# KiCad board arena_10_of_10_v1r1.kicad_pcb (continued)
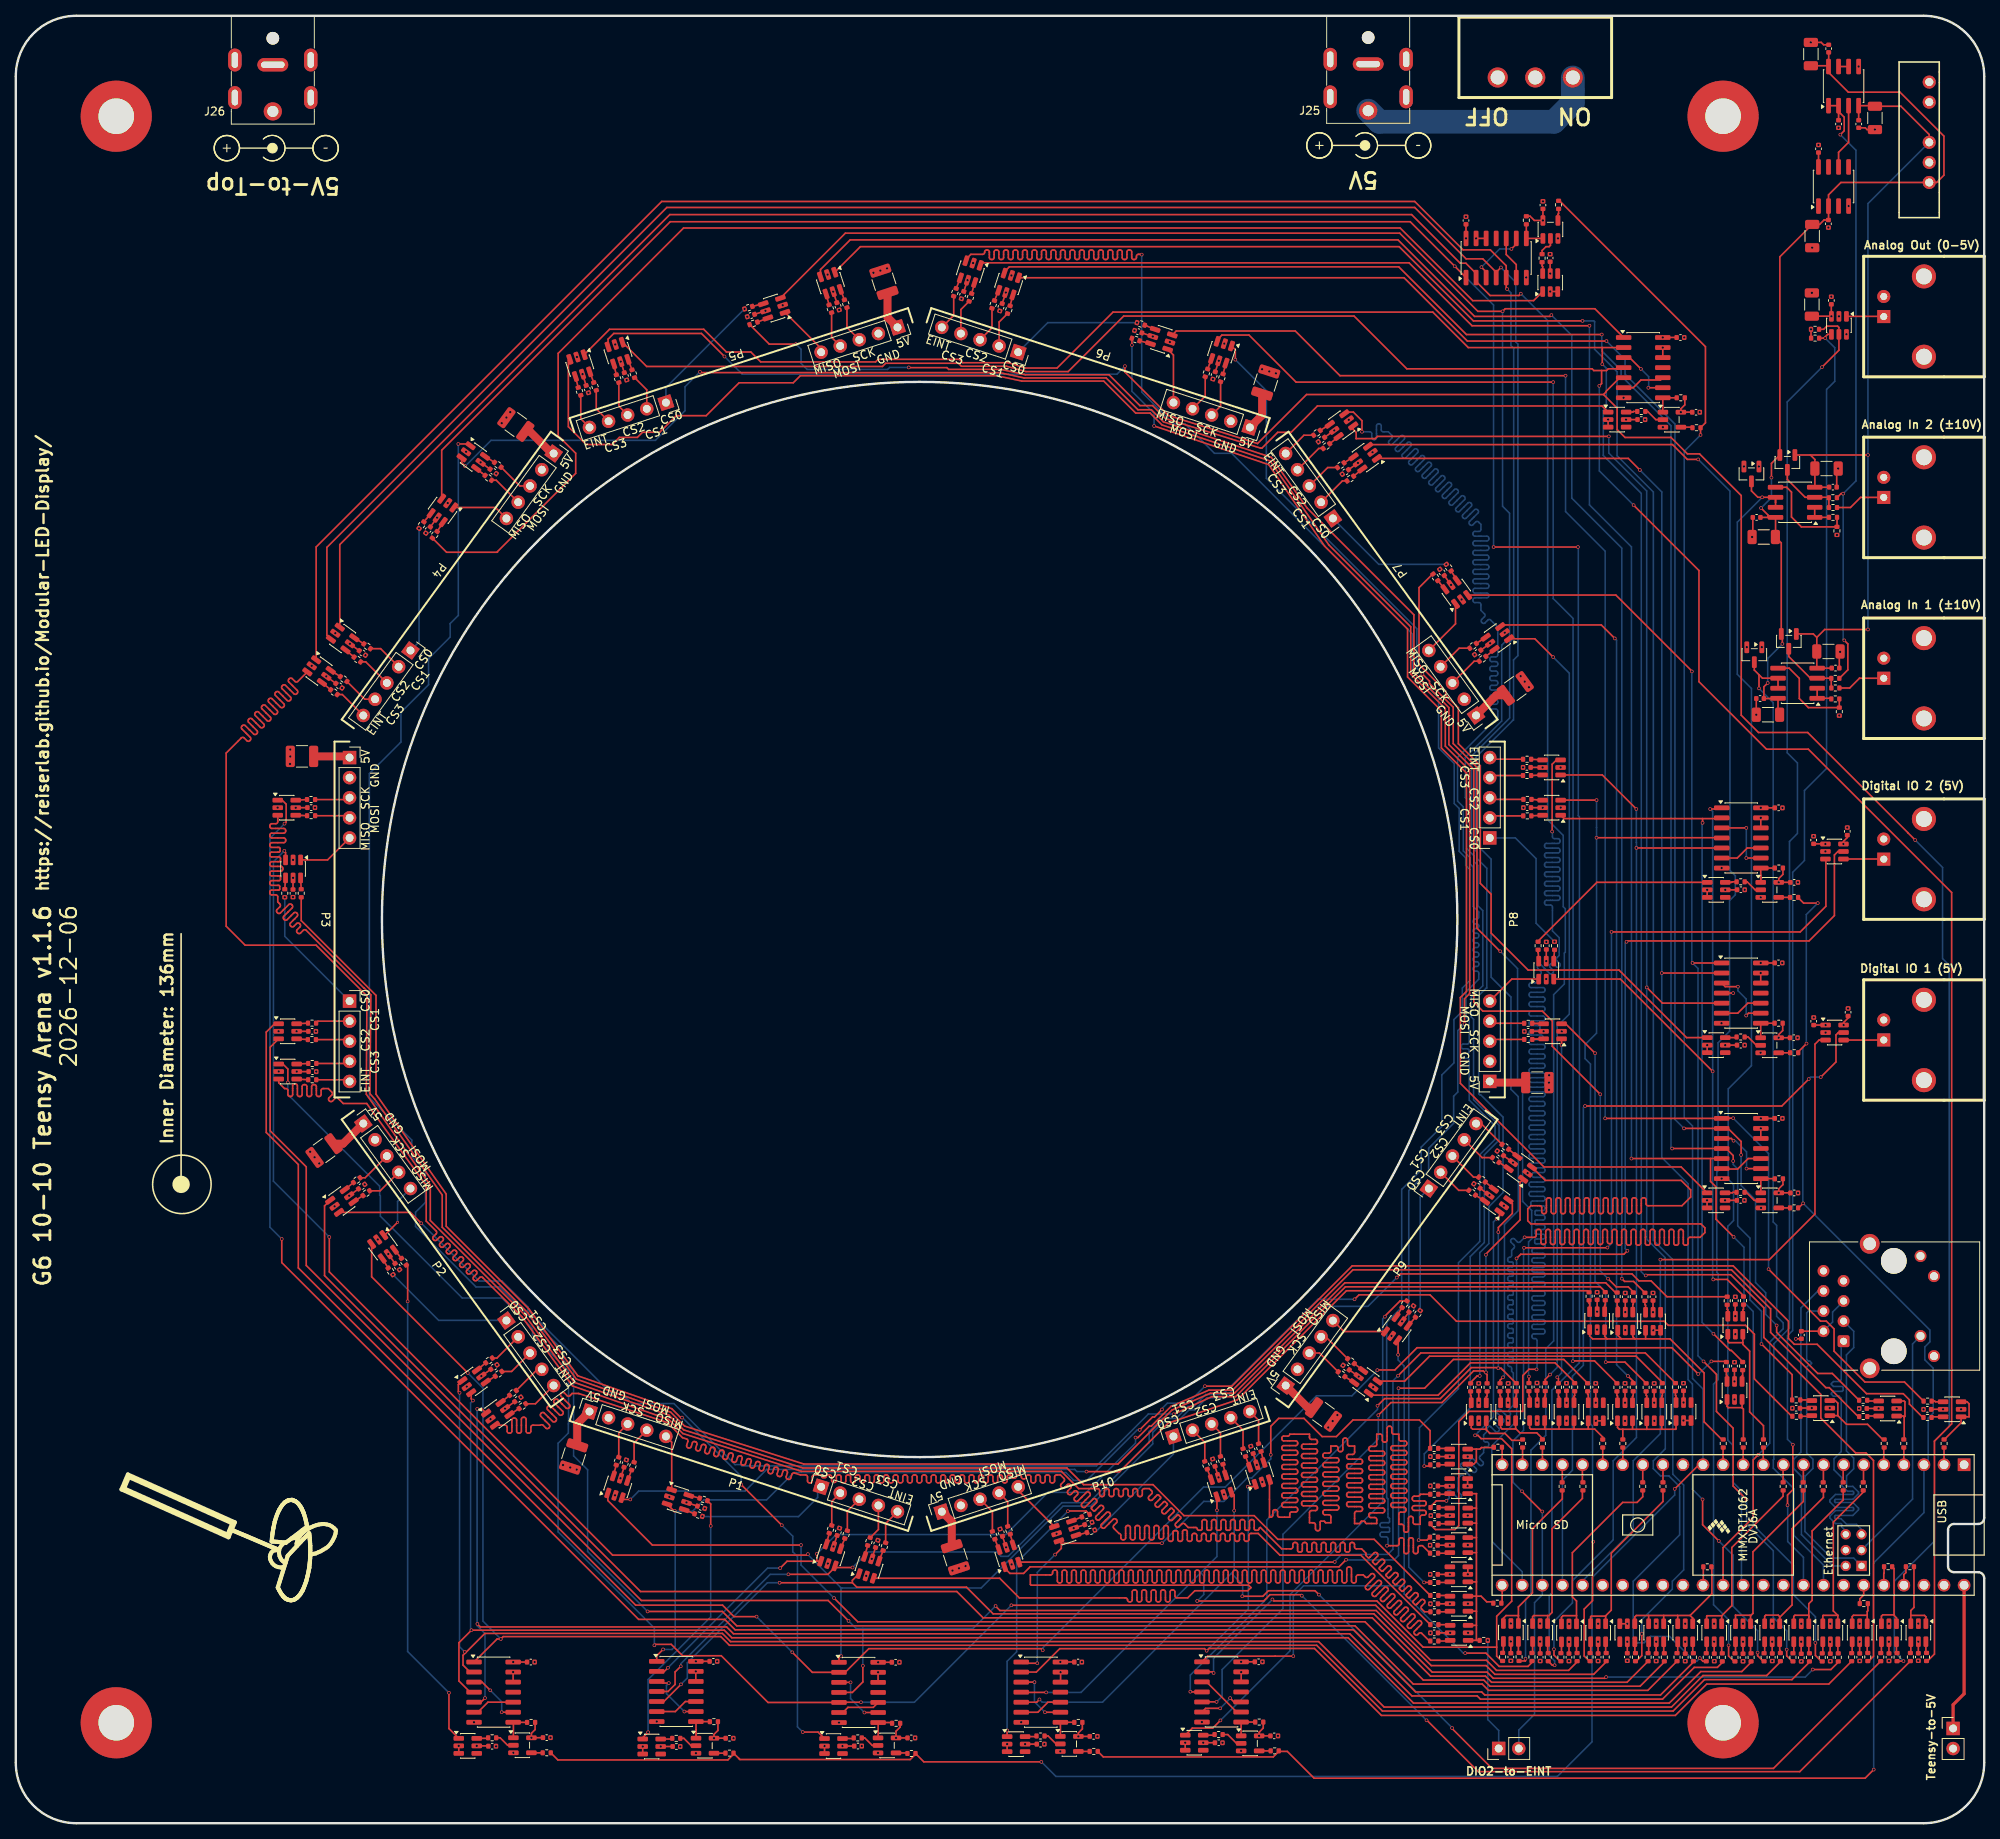
[diagram p0: board, top side]
## Routing (per net, layer and track width the routed paths; a pad name or vN(x,y) marks a point on that pad's centre or on a via; arc(x,y) is an arc through that point) (continued)
Net-(R188-Pad1): length 2.4
  Top w0.2: U88.2 85.41,9.8 84.48,10.73 R188.1
Net-(R188-Pad2): length 1.5
  Top w0.2: R188.2 82.93,10.65 U90.6
Net-(R189-Pad2): length 1.4
  Top w0.2: U92.4 R189.2
Net-(R190-Pad2): length 3.7
  Top w0.2: U91.8 R190.2 ; U91.8 62.91,12.75 ; U91.8 62.91,12.75 ; U92.1 62.92,12.74 62.91,12.75
Net-(R191-Pad1): length 2.6
  Top w0.2: R191.1 61.25,10.8 62.19,9.86 U92.2
Net-(R191-Pad2): length 1.5
  Top w0.2: U93.6 59.66,10.73 R191.2
Net-(R192-Pad2): length 1.5
  Top w0.2: U96.4 112.68,8.89 112.72,8.85 ; 112.72,8.85 112.72,8.85 R192.2 112.72,8.85
Net-(R193-Pad2): length 3.8
  Top w0.2: 109.04,10.79 U96.1 109.04,10.79 ; 109.04,10.79 109.05,10.8 U94.8 110.72,12.73 110.76,12.68 ; 110.76,12.68 R193.2 110.76,12.68
Net-(R194-Pad1): length 2.4
  Top w0.2: R194.1 107.35,10.79 108.31,9.84 U96.2
Net-(R194-Pad2): length 1.5
  Top w0.2: 105.92,10.75 R194.2 105.92,10.75 ; 105.92,10.75 105.88,10.71 U97.6
Net-(R195-Pad2): length 1.9
  Top w0.2: 195.02,203.11 195.02,203.5 195.1,203.58 R195.2 ; 195.02,203.11 U100.4 195.02,203.11
Net-(R196-Pad2): length 3.9
  Top w0.2: U100.1 191.02,200.44 U95.8 191.02,200.45 R196.2
Net-(R197-Pad1): length 3.1
  Top w0.2: R197.1 193.01,198.91 193.5,199.4 193.9,199.4 194.07,199.57 194.07,200.01 ; 194.07,200.01 U100.2 194.07,200.01 194.07,200.01
Net-(R197-Pad2): length 1.5
  Top w0.2: U101.6 193.09,196.89 193.01,196.97 R197.2
Net-(R198-Pad2): length 1.5
  Top w0.2: U104.4 211.96,176.57 R198.2
Net-(R199-Pad2): length 3.6
  Top w0.2: 208.28,178.48 208.27,178.49 U98.8 R199.2 ; 208.28,178.48 U104.1 208.28,178.48
Net-(R200-Pad1): length 2.7
  Top w0.2: U104.2 207.4,177.52 206.36,178.56 R200.1
Net-(R200-Pad2): length 1.4
  Top w0.2: R200.2 204.57,178.56 204.49,178.48 U105.6
Net-(R201-Pad2): length 1.4
  Top w0.2: 222.95,77.83 R201.2
Net-(R202-Pad2): length 3.6
  Top w0.2: U108.1 U99.8 222.43,81.53 R202.2
Net-(R203-Pad1): length 2.5
  Top w0.2: U108.2 219.85,78.78 218.82,79.8 R203.1
Net-(R203-Pad2): length 1.5
  Top w0.2: R203.2 217.14,79.8 217.07,79.73 U109.6
Net-(R204-Pad2): length 1.5
  Top w0.2: R204.2 224.37,97.44 U112.4
Net-(R205-Pad2): length 3.6
  Top w0.2: R205.2 U102.8 220.65,101.17 U112.1
Net-(R206-Pad1): length 2.5
  Top w0.2: R206.1 219.07,99.44 220.12,98.39 U112.2
Net-(R206-Pad2): length 1.5
  Top w0.2: U113.6 217.53,99.36 R206.2
Net-(R207-Pad2): length 1.4
  Top w0.2: 224.37,117.1 224.36,117.1 U116.4 ; 224.37,117.1 R207.2 224.37,117.1
Net-(R208-Pad2): length 4.5
  Top w0.2: 220.66,119.9 220.66,120.79 U103.8 222.44,120.81 222.44,120.81 ; 220.66,119.9 U116.1 220.66,119.9 ; 222.44,120.81 R208.2 222.44,120.81
Net-(R209-Pad1): length 2.4
  Top w0.2: U116.2 219.96,118.05 218.94,119.07 R209.1
Net-(R209-Pad2): length 1.5
  Top w0.2: R209.2 217.06,119.07 216.99,119 U117.6
Net-(R210-Pad2): length 1.5
  Top w0.2: R210.2 158.69,9.15 U120.4
Net-(R211-Pad2): length 3.5
  Top w0.2: R211.2 U106.8 154.95,11.05 U120.1
Net-(R212-Pad1): length 2.8
  Top w0.2: R212.1 153.26,11.21 154.38,10.1 U120.2
Net-(R212-Pad2): length 1.5
  Top w0.2: U121.6 151.52,11.13 R212.2
Net-(R213-Pad2): length 1.4
  Top w0.2: R213.2 135.8,9.08 U124.4
Net-(R214-Pad2): length 3.5
  Top w0.2: U124.1 132.1,10.99 U107.8 133.84,12.76 R214.2
Net-(R215-Pad1): length 2.4
  Top w0.2: U124.2 131.56,10.03 130.55,11.03 R215.1
Net-(R215-Pad2): length 1.5
  Top w0.2: R215.2 129,10.95 U125.6
Net-(U1-0_RX1_CRX2_CS1): length 2.2
  Top w0.2: U1.2 243.84,47.51 R1.2
Net-(U1-2_OUT2): length 2.2
  Top w0.2: R2.2 238.75,47.31 238.76,47.3 U1.4
Net-(U1-3_LRCLK2): length 2.2
  Top w0.2: R3.2 236.27,47.38 236.22,47.32 U1.5
Net-(U1-4_BCLK2): length 2.3
  Top w0.2: U1.6 233.66,45.32 233.66,43.1
Net-(U1-5_IN2): length 2.3
  Top w0.2: U1.7 231.09,45.29 231.09,43.12 231.1,43.11
Net-(U1-6_OUT1D): length 2.3
  Top w0.2: 228.52,43.09 228.59,43.15 228.59,45.33 U1.8
Net-(U1-7_RX2_OUT1A): length 2.2
  Top w0.2: U1.9 226.05,45.33 226.05,43.11
Net-(U1-8_TX2_IN1): length 2.2
  Top w0.2: U1.10 223.49,45.31 223.49,43.12 R8.2
Net-(U1-9_OUT1C): length 2.2
  Top w0.2: R9.2 221,47.36 220.98,47.34 U1.11
Net-(U1-10_CS_MQSR): length 2.2
  Top w0.2: R10.2 218.45,47.34 218.44,47.33 U1.12
Net-(U1-11_MOSI_CTX1): length 2.2
  Top w0.2: 215.92,47.49 215.92,47.33 215.9,47.31 U1.13
Net-(U1-13_SCK_LED): length 2.3
  Top w0.2: U1.35 213.4,30.14 R24.2
Net-(U1-21_A7_RX5_BCLK1): length 2.5
  Top w0.2: U1.43 233.68,28.86 233.19,28.37 R23.2
Net-(U1-22_A8_CTX1): length 2.4
  Top w0.2: U1.44 236.22,31.59 236.26,31.63 R22.2
Net-(U1-23_A9_CRX1_MCLK1): length 2.4
  Top w0.2: U1.45 238.76,31.44 239.02,31.7 R21.2
Net-(U1-24_A10_TX6_SCL2): length 2.2
  Top w0.2: R12.2 208.3,45.32 U1.16
Net-(U1-25_A11_RX6_SDA2): length 2.2
  Top w0.2: R13.2 U1.17
Net-(U1-26_A12_MOSI1): length 2.2
  Top w0.2: U1.18 203.22,45.36 R14.2
Net-(U1-27_A13_SCK1): length 2
  Top w0.2: 200.68,47.33 200.68,45.36 U1.19
Net-(U1-28_RX7): length 2.3
  Top w0.2: 198.18,43.06 198.11,43.13 198.11,45.33 U1.20
Net-(U1-29_TX7): length 2.3
  Top w0.2: 195.57,43.06 195.57,45.33 U1.21
Net-(U1-30_CRX3): length 2.2
  Top w0.2: R18.2 193.06,47.51 193.06,45.36 U1.22
Net-(U1-31_CTX3): length 2.2
  Top w0.2: U1.23 190.54,45.38 190.54,47.51 R19.2
Net-(U1-32_OUT1B): length 2.2
  Top w0.2: R20.2 187.94,47.41 187.96,47.38 U1.24
Net-(U1-33_MCLK2): length 2.3
  Top w0.2: R25.2 187.86,27.91 187.96,28.01 U1.25
Net-(U1-34_RX8): length 134.6
  Top w0.2: v1(189.78,71.43) 190.31,71.96 203.36,71.96 v1(203.8,72.4) ; v1(203.69,111.48) 203.8,111.59 226.77,111.59 229.98,114.8 229.98,122.46 230.42,122.9 U3.5
  Bottom w0.2: v1(203.69,111.48) 203.52,111.32 203.52,72.68 v1(203.8,72.4) ; U1.26 190.5,31.8 187,35.3 187,35.31 186.66,35.65 186.66,47.74 189.79,50.87 189.79,70.83 189.78,70.84 v1(189.78,71.43)
Net-(U1-36_CS): length 100.3
  Top w0.2: v1(228.25,94.36) 230.18,96.29 230.18,99.7 230.48,100 U2.5 ; v1(198.45,90.71) 223.32,90.71 v1(226.73,94.12)
  Bottom w0.2: v1(226.73,94.12) 226.98,94.36 v1(228.25,94.36) ; U1.28 195.58,43.37 196.85,44.64 196.85,56.53 198.23,57.91 198.23,90.49 v1(198.45,90.71)
Net-(U83A-+): length 8.7
  Top w0.2: R184.1 229.28,166.42 R182.2 229.23,167.7 227.49,167.7 ; 227.49,167.7 226.28,167.7 224.03,169.95 D3.3 ; 227.49,167.7 U83.3
Net-(U83A--): length 3.1
  Top w0.2: U83.2 U83.1 229.29,165.16 229.29,165.17 ; 229.29,165.17 R180.2 229.29,165.17
Net-(U83B-+): length 12.9
  Top w0.2: R180.1 230.31,163.97 R178.2 225.8,163.96 224.55,165.21 224.55,168.36 223.94,168.97 222.54,168.97
Net-(U84-NR): length 1.8
  Top w0.2: C99.1 227.97,209.49 227.96,209.49
Net-(U84-Vout): length 8.3
  Top w0.2: U84.6 230.5,211.34 231.77,212.61 U87.3
Net-(U86A-+): length 8.7
  Top w0.2: D4.3 224.21,147.56 226.95,144.82 U86.3 229.56,144.82 R183.2 229.58,143.59 R185.1
Net-(U86A--): length 3.1
  Top w0.2: U86.2 U86.1 229.5,142.28 R181.2
Net-(U86B-+): length 12.4
  Top w0.2: U86.5 224.25,146.09 225.54,144.8 225.54,142.25 226.69,141.1 R179.2 R181.1
Net-(U87B--): length 1.3
  Top w0.2: U87.7 U87.6
Net-(U89-Pad3): length 7.7
  Top w0.2: v1(82.57,17.73) 81.85,17.73 81.65,17.93 U89.3 ; U89.9 v1(84.54,14.12)
  Bottom w0.2: v1(82.57,17.73) 82.28,17.43 82.28,16.38 v1(84.54,14.12)
Net-(U89-Pad10): length 5.5
  Top w0.2: U89.6 83.4,14.12 84.67,15.39 U89.10
Net-(U91-Pad3): length 7.3
  Top w0.2: U91.9 v1(61.44,14.04) ; v1(60,16.8) 58.96,17.85 U91.3
  Bottom w0.2: v1(61.44,14.04) 61.44,15.36 v1(60,16.8)
Net-(U91-Pad10): length 5.5
  Top w0.2: 62.9,15.31 59.7,15.31 58.43,14.04 U91.6
Net-(U94-Pad3): length 7.7
  Top w0.2: U94.9 v1(107.31,14) ; v1(105.56,17.81) 105.56,17.81 U94.3
  Bottom w0.2: v1(107.31,14) 105.56,15.75 105.56,17.81 v1(105.56,17.81)
Net-(U94-Pad10): length 5.5
  Top w0.2: U94.6 104.59,14 105.24,14.65 108.43,14.65 U94.10
Net-(U95-Pad3): length 7.9
  Top w0.2: U95.3 185.94,196.21 v1(185.34,196.81) ; U95.9 189.75,199.72 v1(189.14,199.12)
  Bottom w0.2: v1(185.34,196.81) 187.65,199.12 v1(189.14,199.12)
Net-(U95-Pad10): length 5.5
  Top w0.2: U95.10 188.47,198.41 189.75,197.14 U95.6
Net-(U98-Pad3): length 7.4
  Top w0.2: v1(205.5,183.95) 204.08,185.37 U98.3 ; U98.9 206.46,181.56 v1(206.45,181.55)
  Bottom w0.2: v1(206.45,181.55) 206.49,181.59 206.49,182.96 v1(205.5,183.95)
Net-(U98-Pad10): length 5.5
  Top w0.2: U98.6 204.53,181.56 205.51,182.53 207.98,182.53 U98.10
Net-(U99-Pad3): length 7.8
  Top w0.2: v1(217.22,86.32) 216.94,86.61 215.73,86.61 ; U99.9 v1(218.86,82.8)
  Bottom w0.2: v1(217.22,86.32) 217.45,86.32 218.86,84.91 v1(218.86,82.8)
Net-(U99-Pad10): length 5.5
  Top w0.2: U99.6 215.78,82.74 217.74,82.74 219.07,84.07 U99.10
Net-(U102-Pad3): length 8.3
  Top w0.2: v1(218.82,102.15) 219.12,102.45 U102.9 ; v1(217.77,105.8) 216.17,105.8 U102.3
  Bottom w0.2: v1(217.77,105.8) 217.77,105.29 218.82,104.25 v1(218.82,102.15)
Net-(U102-Pad10): length 5.5
  Top w0.2: U102.6 217.76,102.45 219.03,103.72 U102.10
Net-(U103-Pad3): length 8.8
  Top w0.2: U103.9 v1(218.84,122.08) ; U103.3 v1(218.84,125.89)
  Bottom w0.2: v1(218.84,122.08) v1(218.84,125.89)
Net-(U103-Pad10): length 5.5
  Top w0.2: U103.10 218.96,123.35 217.69,122.08 U103.6
Net-(U106-Pad3): length 6.5
  Top w0.2: U106.3 150.58,17.87 154.39,14.06 U106.9
Net-(U106-Pad10): length 5.9
  Top w0.2: U106.10 154.05,15.33 v1(153.56,15.82) ; v1(152.31,14.52) 150.46,14.52 U106.6
  Bottom w0.2: v1(152.31,14.52) 153.56,15.78 v1(153.56,15.82)
Net-(U107-Pad3): length 8
  Top w0.2: v1(128.82,17.84) U107.3 ; U107.9 v1(130.14,14.03)
  Bottom w0.2: v1(130.14,14.03) 128.82,15.35 v1(128.82,17.84)
Net-(U107-Pad10): length 5.5
  Top w0.2: U107.6 129.25,14.03 130.52,15.3 U107.10

## Copper pours and planes (outline as drawn; the poured copper is in the pictures)
+3.3V on In3.Cu: 1.27,220.98 7.62,227.33 241.3,227.33 247.65,220.98 247.65,7.62 241.3,1.27 7.62,1.27 1.27,7.62
+5V on In2.Cu: 1.27,220.98 7.62,227.33 241.3,227.33 247.65,220.98 247.65,7.62 241.3,1.27 7.62,1.27 1.27,7.62
GND on In1.Cu: 1.27,220.98 7.62,227.33 241.3,227.33 247.65,220.98 247.65,7.62 241.3,1.27 7.62,1.27 1.27,7.62
GND on In4.Cu: 1.27,220.98 7.62,227.33 241.3,227.33 247.65,220.98 247.65,7.62 241.3,1.27 7.62,1.27 1.27,7.62

## Text on the board
B.Silkscreen: https://reiserlab.github.io/Modular-LED-Display/ | ${CURRENT_DATE} | ${TITLE} ${REVISION}
F.Silkscreen: DIO2-to-EINT | Digital IO 1 (5V) | Analog In 1 (±10V) | Digital IO 2 (5V) | Analog In 2 (±10V) | Analog Out (0-5V) | Teensy-to-5V | https://reiserlab.github.io/Modular-LED-Display/ | Inner Diameter: 136mm | ${CURRENT_DATE} | ${TITLE} ${REVISION} | 5V-to-Top | 5V | ON    OFF
